# Altium PCB Charge ContollerV2.PcbDoc (part 1 of 2) (continued)
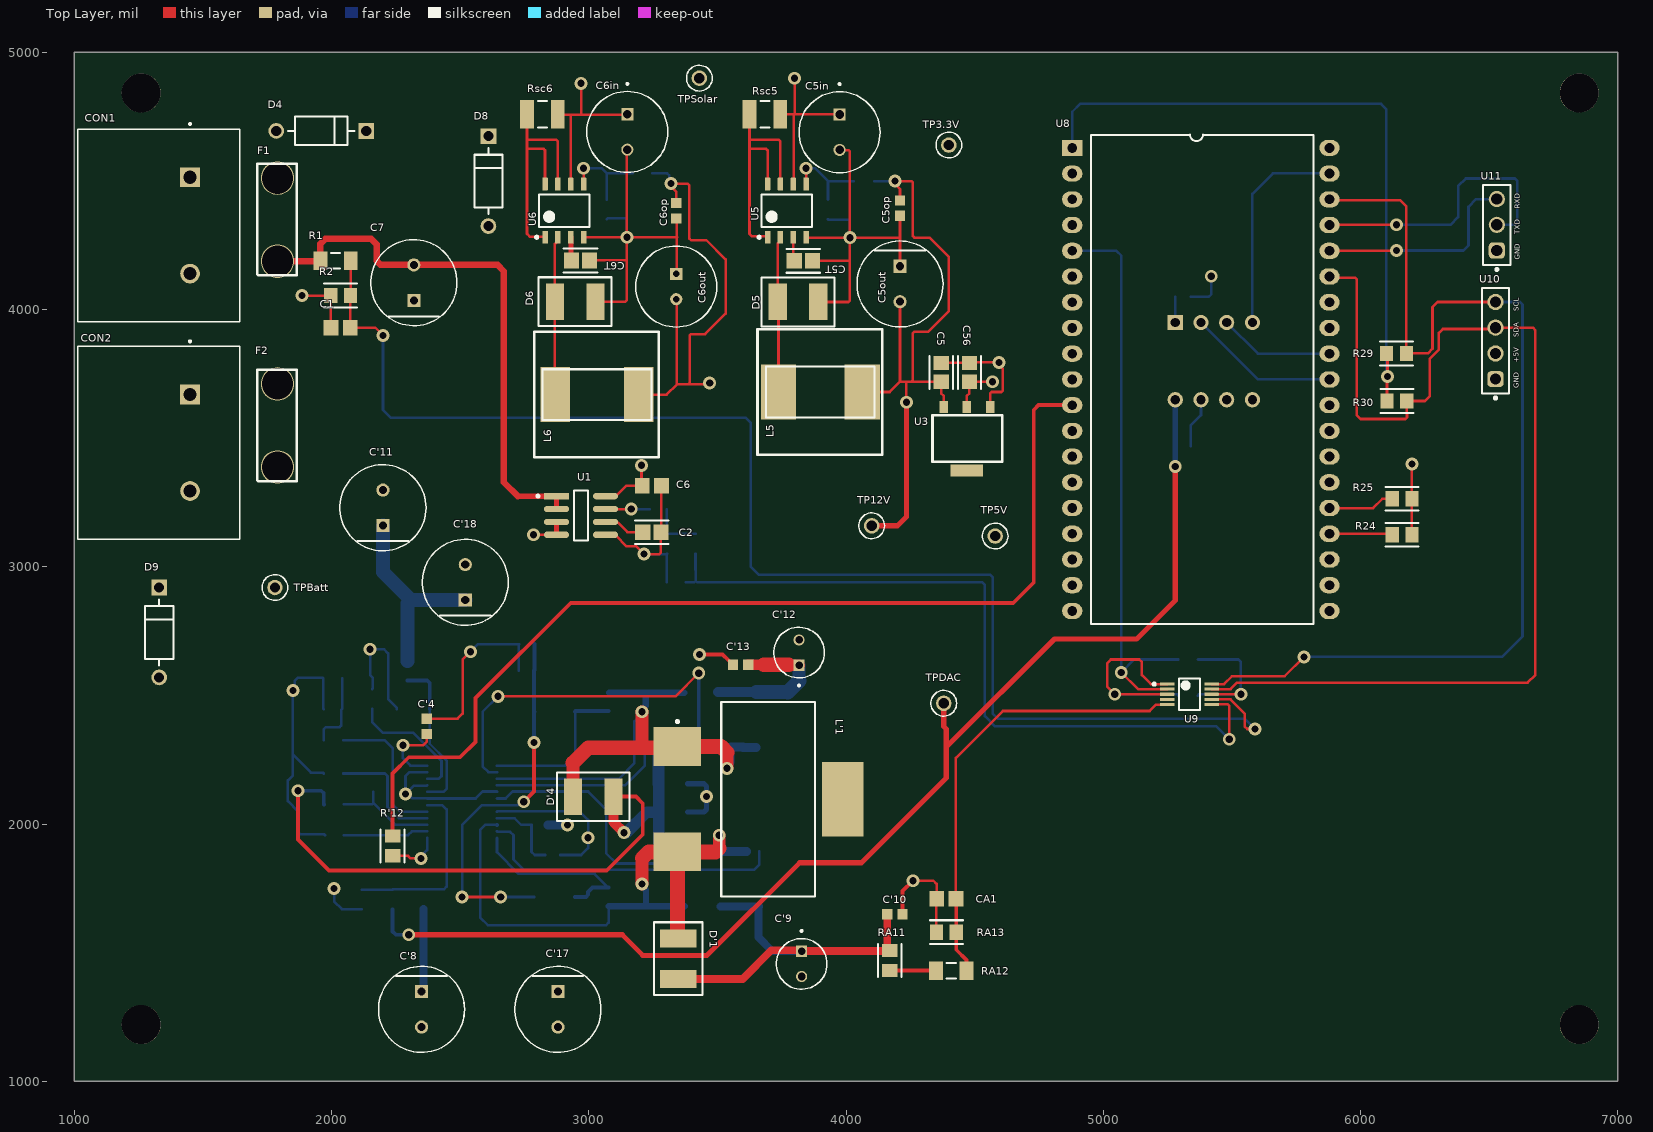
[diagram p0: Top Layer view]
## Part data (continued)
D5 D6 D'1 D'2 D'3 D'4: library part CDBA3100-G, "Rectifier Diode, Schottky, 1 Phase, 1 Element, 3A, 100V V(RRM), Silicon, DO-214AC", Average Rectified Current=3A, Forward Voltage=850mV, Manufacturer=Comchip, Max Forward Surge Current (Ifsm)=80A, Max Operating Temperature=150°C, Max Reverse Leakage Current=500µA, Max Reverse Voltage (DC)=100V, Min Operating Temperature=-55°C, Supplier Part Number=641-1099-1-ND, Category="Rectifier Diodes", ComponentLink1Description=https://datasheet.octopart.com:443/CDBA3100-G-Comchip-datasheet-180126795.pdf?src-supplier=IHS, ComponentLink1URL=https://datasheet.octopart.com:443/CDBA3100-G-Comchip-datasheet-180126795.pdf?src-supplier=IHS, ComponentLink2Description=https://datasheet.octopart.com:443/CDBA3100-G-Comchip-datasheet-14434128.pdf?src-supplier=RS+(Formerly+Allied+Electronics), ComponentLink2URL=https://datasheet.octopart.com:443/CDBA3100-G-Comchip-datasheet-14434128.pdf?src-supplier=RS+(Formerly+Allied+Electronics), Contact Plating=Tin, Lifecycle Status=Obsolete, Manufacturer Part Number=CDBA3100-G, Max Output current=3A, Max Surge Current=80A, Mounting Technology="Surface Mount", Number of Elements=1, Number of Terminals=2, Peak Reverse Current=500µA, Pricing="1=0.32, 10=0.284, 100=0.2475, 500=0.24302, 2000=0.22072 (USD)", REACH SVHC=No, Reverse Standoff Voltage=100V, RoHS=Compliant, Schedule B="8541100070, 8541100070|8541100070, 8541100070|8541100070|8541100070, 8541100070|8541100070|8541100070|8541100070", Stock=37850, Supplier=DigiKey
D'5: library part MMSZ5231BT1G, "Diode, Zener, Standard, Vr 5.1V, If 10MA, Pkg SOD-123, Vf 0.9V, Tj +150DEGC, Pd 500MW", Breakdown Voltage=5.36V, Case/Package=SOD-123-2, Forward Voltage=900mV, Manufacturer=onsemi, Manufacturer Lifecycle Status=ACTIVE, Max Operating Temperature=150°C, Max Power Dissipation=500mW, Max Reverse Leakage Current=5µA, Min Operating Temperature=-55°C, Reference Voltage=5.1V, Supplier Part Number=MMSZ5231BT1GOSDKR-ND, Test Current=20mA, Tolerance=5%, Category="Zener Diodes", China RoHS=Compliant, ComponentLink1Description=https://datasheet.octopart.com:443/MMSZ5231BT1G-ON-Semiconductor-datasheet-12517161.pdf?src-supplier=Upverter, ComponentLink1URL=https://datasheet.octopart.com:443/MMSZ5231BT1G-ON-Semiconductor-datasheet-12517161.pdf?src-supplier=Upverter, ComponentLink2Description=https://datasheet.octopart.com:443/MMSZ5231BT1G-ON-Semiconductor-datasheet-153455.pdf?src-supplier=Upverter, ComponentLink2URL=https://datasheet.octopart.com:443/MMSZ5231BT1G-ON-Semiconductor-datasheet-153455.pdf?src-supplier=Upverter, ComponentLink3Description=https://datasheet.octopart.com:443/MMSZ5231BT1G-ON-Semiconductor-datasheet-8638611.pdf?src-supplier=Upverter, ComponentLink3URL=https://datasheet.octopart.com:443/MMSZ5231BT1G-ON-Semiconductor-datasheet-8638611.pdf?src-supplier=Upverter, ComponentLink4Description=https://datasheet.octopart.com:443/MMSZ5231BT1G-onsemi-datasheet-180963765.pdf?src-supplier=IHS, ComponentLink4URL=https://datasheet.octopart.com:443/MMSZ5231BT1G-onsemi-datasheet-180963765.pdf?src-supplier=IHS, ComponentLink5Description=https://datasheet.octopart.com:443/MMSZ5231BT1G-ON-Semiconductor-datasheet-42916381.pdf?src-supplier=Newark, ComponentLink5URL=https://datasheet.octopart.com:443/MMSZ5231BT1G-ON-Semiconductor-datasheet-42916381.pdf?src-supplier=Newark, ComponentLink6Description=https://datasheet.octopart.com:443/MMSZ5231BT1G-onsemi-datasheet-188912702.pdf?src-supplier=TME, ComponentLink6URL=https://datasheet.octopart.com:443/MMSZ5231BT1G-onsemi-datasheet-188912702.pdf?src-supplier=TME, ComponentLink7Description=https://datasheet.octopart.com:443/MMSZ5231BT1G-onsemi-datasheet-157205108.pdf?src-supplier=TME, ComponentLink7URL=https://datasheet.octopart.com:443/MMSZ5231BT1G-onsemi-datasheet-157205108.pdf?src-supplier=TME, ComponentLink8Description=https://datasheet.octopart.com:443/MMSZ5231BT1G-ON-Semiconductor-datasheet-137674939.pdf?src-supplier=TME, ComponentLink8URL=https://datasheet.octopart.com:443/MMSZ5231BT1G-ON-Semiconductor-datasheet-137674939.pdf?src-supplier=TME, ComponentLink9Description=https://datasheet.octopart.com:443/MMSZ5231BT1G-ON-Semiconductor-datasheet-11631549.pdf?src-supplier=TME, ComponentLink9URL=https://datasheet.octopart.com:443/MMSZ5231BT1G-ON-Semiconductor-datasheet-11631549.pdf?src-supplier=TME, ComponentLink10Description=https://datasheet.octopart.com:443/MMSZ5231BT1G-ON-Semiconductor-datasheet-14050968.pdf?src-supplier=iiiC, ComponentLink10URL=https://datasheet.octopart.com:443/MMSZ5231BT1G-ON-Semiconductor-datasheet-14050968.pdf?src-supplier=iiiC, ComponentLink11Description=https://datasheet.octopart.com:443/MMSZ5231BT1G-ON-Semiconductor-datasheet-11023586.pdf?src-supplier=Arrow+Electronics, ComponentLink11URL=https://datasheet.octopart.com:443/MMSZ5231BT1G-ON-Semiconductor-datasheet-11023586.pdf?src-supplier=Arrow+Electronics, ComponentLink12Description=https://datasheet.octopart.com:443/MMSZ5231BT1G-onsemi-datasheet-8531759.pdf?src-supplier=Master+Electronics, ComponentLink12URL=https://datasheet.octopart.com:443/MMSZ5231BT1G-onsemi-datasheet-8531759.pdf?src-supplier=Master+Electronics, ComponentLink13Description=https://datasheet.octopart.com:443/MMSZ5231BT1G-ON-Semiconductor-datasheet-9569771.pdf?src-supplier=RS+(Formerly+Allied+Electronics), ComponentLink13URL=https://datasheet.octopart.com:443/MMSZ5231BT1G-ON-Semiconductor-datasheet-9569771.pdf?src-supplier=RS+(Formerly+Allied+Electronics), ComponentLink14Description=https://datasheet.octopart.com:443/MMSZ5231BT1G-ON-Semiconductor-datasheet-7627526.pdf?src-supplier=Farnell, ComponentLink14URL=https://datasheet.octopart.com:443/MMSZ5231BT1G-ON-Semiconductor-datasheet-7627526.pdf?src-supplier=Farnell, ComponentLink15Description=http://sigma.octopart.com:80/150619057/rohs_statement/ON-Semiconductor-MMSZ5231BT1G.pdf?src-supplier=Compliance+Statements, ComponentLink15URL=http://sigma.octopart.com:80/150619057/rohs_statement/ON-Semiconductor-MMSZ5231BT1G.pdf?src-supplier=Compliance+Statements, ComponentLink16Description=http://sigma.octopart.com:80/reach_statement/ON-Semiconductor-company-79.pdf?src-supplier=Compliance+Statements, ComponentLink16URL=http://sigma.octopart.com:80/reach_statement/ON-Semiconductor-company-79.pdf?src-supplier=Compliance+Statements, ComponentLink17Description=https://octopart.com:443/opatz8j6/c1?t=6KruX2xVgqKTQHF1zEmr7La0r81j7SPqGDh76W6GsR4eL4rUqHQll8WV4xX5Nu7hKsrq8PAxovGY3REwLdsadjl1bmMI9nnUJhGPyFXEhJxD1pCZtzk_dOG5ikFhzMBdTygor5oNzTc3yMqgbGe0eGu0D6HSfRYRN-pxTcnbPO7NfjzkzEKduPNB4_4g8pI3bD3pTXBKwmePOj0_g1sOgdlkuXNjFsYbZwoOqUjk2ji-GU_pC92JqRRQ2hCmT0oMn_1Yzgo0DI96n__Pobeu3CZhTmdzV_7HO8kmQ0uVo67lL-Y4_zFtToxOs3jA9SuFubSY-NWtqQyQzsC7nZp_yHv4hMy2qHk4BreNnw&src-supplier=Compliance+Statements, ComponentLink17URL=https://octopart.com:443/opatz8j6/c1?t=6KruX2xVgqKTQHF1zEmr7La0r81j7SPqGDh76W6GsR4eL4rUqHQll8WV4xX5Nu7hKsrq8PAxovGY3REwLdsadjl1bmMI9nnUJhGPyFXEhJxD1pCZtzk_dOG5ikFhzMBdTygor5oNzTc3yMqgbGe0eGu0D6HSfRYRN-pxTcnbPO7NfjzkzEKduPNB4_4g8pI3bD3pTXBKwmePOj0_g1sOgdlkuXNjFsYbZwoOqUjk2ji-GU_pC92JqRRQ2hCmT0oMn_1Yzgo0DI96n__Pobeu3CZhTmdzV_7HO8kmQ0uVo67lL-Y4_zFtToxOs3jA9SuFubSY-NWtqQyQzsC7nZp_yHv4hMy2qHk4BreNnw&src-supplier=Compliance+Statements, ComponentLink18Description=https://octopart.com:443/opatz8j6/c1?t=fg5wKDs8tDYVpes2XK0oORYyiWLhMx6Oz8EfK7-ZJNKqyjkoQ9ch0gNda__pOlhG31XntL1xtt_y2IhV85_j8hxA9FBrNnEecmnSHUwuaYJVTwhKOFezISfTkG2YVLsNN2oqYUaWUAQGE8sEe599xnbe1taZ3Ax9sjwWK5fiLbdba-GQxmr3z0EyWhEwI2jeYxxRTAgm6tMGVDIqNDY-0w2I1rzEeqIzCAmAsnWHMVi95F9x2rpbylBY_vYYklpx_KNs09WKUDKuRdo7ZUbkew6-riSvkBCDjzs5Zh9iK3HaGt4l98TU6E2yKl9wJd710uXxaHrLfXXAgj1PzSLrloAx3KEjEA1IMiUkgbw&src-supplier=Compliance+Statements, ComponentLink18URL=https://octopart.com:443/opatz8j6/c1?t=fg5wKDs8tDYVpes2XK0oORYyiWLhMx6Oz8EfK7-ZJNKqyjkoQ9ch0gNda__pOlhG31XntL1xtt_y2IhV85_j8hxA9FBrNnEecmnSHUwuaYJVTwhKOFezISfTkG2YVLsNN2oqYUaWUAQGE8sEe599xnbe1taZ3Ax9sjwWK5fiLbdba-GQxmr3z0EyWhEwI2jeYxxRTAgm6tMGVDIqNDY-0w2I1rzEeqIzCAmAsnWHMVi95F9x2rpbylBY_vYYklpx_KNs09WKUDKuRdo7ZUbkew6-riSvkBCDjzs5Zh9iK3HaGt4l98TU6E2yKl9wJd710uXxaHrLfXXAgj1PzSLrloAx3KEjEA1IMiUkgbw&src-supplier=Compliance+Statements, Element Configuration=Single, Height=1.3462mm, Impedance=17Ω, Lead Free="Lead Free", Length=2.8194mm, Lifecycle Status=Production, Manufacturer Part Number=MMSZ5231BT1G, Material=Plastic, Number of Elements=1, Number of Terminals=2, Packaging="Tape and Reel", Peak Reverse Current=5µA, Pins=2, Polarity=Unidirectional, Power Dissipation=500mW, Power Rating=500mW, Pricing="1=0.18, 10=0.102, 100=0.045, 500=0.043, 1000=0.04 (USD)", Radiation Hardening=No, REACH SVHC=Yes, RoHS=Compliant, Schedule B="8541100050, 8541100050|8541100050|8541100050|8541100050|8541100050|8541100050|8541100050|8541100050|8541100050|8541100050|8541100050|8541100050|8541100050|8541100050|8541100050|8541100050|8541100050|8541100050|8541100050|8541100050|8541100050|8541100050|8541100050|85", Stock=131299, Supplier=DigiKey, Voltage Rating (DC)=5.1V, Voltage Tolerance=5%, Width=1.8034mm, Working Voltage=5.1V, Zener Current=20mA, Zener Voltage=5.1V
F1: library part 0297010.WXNV, "Automotive flat fuse, 10 A, 32 V, red, (L x W x H) 10.9 x 3.8 x 8.8 mm, 0297010.WXNV", Ambient Temperature Range High=125°C, Color=Red, Current Rating=10A, Manufacturer=Littelfuse, Min Operating Temperature=-40°C, Supplier Part Number=F991-ND, Voltage Rating=32V, Body Material="Plastic, Polyamide, Thermoplastic", Category=Fuses, ComponentLink1Description=https://datasheet.octopart.com:443/0297010.WXNV-Littelfuse-datasheet-169126209.pdf?src-supplier=IHS, ComponentLink1URL=https://datasheet.octopart.com:443/0297010.WXNV-Littelfuse-datasheet-169126209.pdf?src-supplier=IHS, ComponentLink2Description=https://datasheet.octopart.com:443/0297010.WXNV-Littelfuse-datasheet-66660011.pdf?src-supplier=Burklin+Elektronik, ComponentLink2URL=https://datasheet.octopart.com:443/0297010.WXNV-Littelfuse-datasheet-66660011.pdf?src-supplier=Burklin+Elektronik, ComponentLink3Description=https://datasheet.octopart.com:443/0297010.WXNV-Littelfuse-datasheet-8702453.pdf?src-supplier=Newark, ComponentLink3URL=https://datasheet.octopart.com:443/0297010.WXNV-Littelfuse-datasheet-8702453.pdf?src-supplier=Newark, ComponentLink4Description=https://datasheet.octopart.com:443/0297010.WXNV-Littelfuse-datasheet-32479567.pdf?src-supplier=Newark, ComponentLink4URL=https://datasheet.octopart.com:443/0297010.WXNV-Littelfuse-datasheet-32479567.pdf?src-supplier=Newark, ComponentLink5Description=https://datasheet.octopart.com:443/0297010.WXNV-Littelfuse-datasheet-28809134.pdf?src-supplier=Future+Electronics, ComponentLink5URL=https://datasheet.octopart.com:443/0297010.WXNV-Littelfuse-datasheet-28809134.pdf?src-supplier=Future+Electronics, ComponentLink6Description=https://datasheet.octopart.com:443/0297010.WXNV-Littelfuse-datasheet-135736.pdf?src-supplier=element14, ComponentLink6URL=https://datasheet.octopart.com:443/0297010.WXNV-Littelfuse-datasheet-135736.pdf?src-supplier=element14, ComponentLink7Description=https://datasheet.octopart.com:443/0297010.WXNV-Littelfuse-datasheet-179407513.pdf?src-supplier=JRH+Electronics, ComponentLink7URL=https://datasheet.octopart.com:443/0297010.WXNV-Littelfuse-datasheet-179407513.pdf?src-supplier=JRH+Electronics, ComponentLink8Description=https://datasheet.octopart.com:443/0297010.WXNV-Littelfuse-datasheet-43098904.pdf?src-supplier=RS+(Formerly+Allied+Electronics), ComponentLink8URL=https://datasheet.octopart.com:443/0297010.WXNV-Littelfuse-datasheet-43098904.pdf?src-supplier=RS+(Formerly+Allied+Electronics), ComponentLink9Description=https://datasheet.octopart.com:443/0297010.WXNV-Littelfuse-datasheet-49878456.pdf?src-supplier=TME, ComponentLink9URL=https://datasheet.octopart.com:443/0297010.WXNV-Littelfuse-datasheet-49878456.pdf?src-supplier=TME, ComponentLink10Description=https://datasheet.octopart.com:443/0297010.WXNV-Littelfuse-datasheet-7281592.pdf?src-supplier=Jameco, ComponentLink10URL=https://datasheet.octopart.com:443/0297010.WXNV-Littelfuse-datasheet-7281592.pdf?src-supplier=Jameco, ComponentLink11Description=https://datasheet.octopart.com:443/0297010.WXNV-Littelfuse-datasheet-817.pdf?src-supplier=DigiKey, ComponentLink11URL=https://datasheet.octopart.com:443/0297010.WXNV-Littelfuse-datasheet-817.pdf?src-supplier=DigiKey, ComponentLink12Description=https://datasheet.octopart.com:443/0297010.WXNV-Littelfuse-datasheet-530200.pdf?src-supplier=Farnell, ComponentLink12URL=https://datasheet.octopart.com:443/0297010.WXNV-Littelfuse-datasheet-530200.pdf?src-supplier=Farnell, Contact Plating=Silver, Depth=3.8mm, Fuse Current=10A, Height=8.8mm, Lead Free="Lead Free", Length=10.9mm, Lifecycle Status=Production, Manufacturer Part Number=0297010.WXNV, Max Operating Temperature=125°C, Mounting Technology="Holder, Socket", Packaging=Bulk, Pins=2, Pricing="1=0.35, 5=0.294, 10=0.271, 50=0.2246, 100=0.2072, 250=0.18628, 500=0.17184, 3000=0.13929, 6000=0.12832 (USD)", Radiation Hardening=No, REACH SVHC=Yes, RoHS=Compliant, Stock=60959, Supplier=DigiKey, Time to Trip=30ms, Voltage Rating (AC)=32V, Voltage Rating (DC)=32V, Width=8.8mm, Working Voltage=32V
F2: library part 0297015.WXNV, "Automotive flat fuse, 15 A, 32 V, blue, (L x W x H) 10.9 x 3.8 x 8.8 mm, 0297015.WXNV", Ambient Temperature Range High=125°C, Color=Blue, Current Rating=15A, Manufacturer=Littelfuse, Min Operating Temperature=-40°C, Supplier Part Number=F992-ND, Voltage Rating=32V, Body Material="Plastic, Polyamide, Thermoplastic", Category=Fuses, ComponentLink1Description=https://datasheet.octopart.com:443/0297015.WXNV-Littelfuse-datasheet-169126209.pdf?src-supplier=IHS, ComponentLink1URL=https://datasheet.octopart.com:443/0297015.WXNV-Littelfuse-datasheet-169126209.pdf?src-supplier=IHS, ComponentLink2Description=https://datasheet.octopart.com:443/0297015.WXNV-Littelfuse-datasheet-66660011.pdf?src-supplier=Burklin+Elektronik, ComponentLink2URL=https://datasheet.octopart.com:443/0297015.WXNV-Littelfuse-datasheet-66660011.pdf?src-supplier=Burklin+Elektronik, ComponentLink3Description=https://datasheet.octopart.com:443/0297015.WXNV-Littelfuse-datasheet-8702453.pdf?src-supplier=Farnell, ComponentLink3URL=https://datasheet.octopart.com:443/0297015.WXNV-Littelfuse-datasheet-8702453.pdf?src-supplier=Farnell, ComponentLink4Description=https://datasheet.octopart.com:443/0297015.WXNV-Littelfuse-datasheet-135736.pdf?src-supplier=element14, ComponentLink4URL=https://datasheet.octopart.com:443/0297015.WXNV-Littelfuse-datasheet-135736.pdf?src-supplier=element14, ComponentLink5Description=https://datasheet.octopart.com:443/0297015.WXNV-Littelfuse-datasheet-530200.pdf?src-supplier=Newark, ComponentLink5URL=https://datasheet.octopart.com:443/0297015.WXNV-Littelfuse-datasheet-530200.pdf?src-supplier=Newark, ComponentLink6Description=https://datasheet.octopart.com:443/0297015.WXNV-Littelfuse-datasheet-28809134.pdf?src-supplier=Future+Electronics, ComponentLink6URL=https://datasheet.octopart.com:443/0297015.WXNV-Littelfuse-datasheet-28809134.pdf?src-supplier=Future+Electronics, ComponentLink7Description=https://datasheet.octopart.com:443/0297015.WXNV-Littelfuse-datasheet-179407513.pdf?src-supplier=JRH+Electronics, ComponentLink7URL=https://datasheet.octopart.com:443/0297015.WXNV-Littelfuse-datasheet-179407513.pdf?src-supplier=JRH+Electronics, ComponentLink8Description=https://datasheet.octopart.com:443/0297015.WXNV-Littelfuse-datasheet-43098904.pdf?src-supplier=RS+(Formerly+Allied+Electronics), ComponentLink8URL=https://datasheet.octopart.com:443/0297015.WXNV-Littelfuse-datasheet-43098904.pdf?src-supplier=RS+(Formerly+Allied+Electronics), ComponentLink9Description=https://datasheet.octopart.com:443/0297015.WXNV-Littelfuse-datasheet-33028620.pdf?src-supplier=RS+(Formerly+Allied+Electronics), ComponentLink9URL=https://datasheet.octopart.com:443/0297015.WXNV-Littelfuse-datasheet-33028620.pdf?src-supplier=RS+(Formerly+Allied+Electronics), ComponentLink10Description=https://datasheet.octopart.com:443/0297015.WXNV-Littelfuse-datasheet-49878456.pdf?src-supplier=TME, ComponentLink10URL=https://datasheet.octopart.com:443/0297015.WXNV-Littelfuse-datasheet-49878456.pdf?src-supplier=TME, ComponentLink11Description=https://datasheet.octopart.com:443/0297015.WXNV-Littelfuse-datasheet-10520229.pdf?src-supplier=Jameco, ComponentLink11URL=https://datasheet.octopart.com:443/0297015.WXNV-Littelfuse-datasheet-10520229.pdf?src-supplier=Jameco, ComponentLink12Description=https://datasheet.octopart.com:443/0297015.WXNV-Littelfuse-datasheet-817.pdf?src-supplier=DigiKey, ComponentLink12URL=https://datasheet.octopart.com:443/0297015.WXNV-Littelfuse-datasheet-817.pdf?src-supplier=DigiKey, Contact Plating=Silver, Depth=3.8mm, Fuse Current=15A, Height=8.8mm, Lead Free="Lead Free", Length=10.9mm, Lifecycle Status=Production, Manufacturer Part Number=0297015.WXNV, Max Operating Temperature=125°C, Mounting Technology="Holder, Socket", Packaging=Bulk, Pins=2, Pricing="1=0.35, 5=0.294, 10=0.271, 50=0.2246, 100=0.2072, 250=0.18628, 500=0.17184, 3000=0.13929, 6000=0.12832 (USD)", Radiation Hardening=No, REACH SVHC=Yes, RoHS=Compliant, Stock=56481, Supplier=DigiKey, Time to Trip=30ms, Voltage Rating (AC)=32V, Voltage Rating (DC)=32V, Working Voltage=32V
L5: library part SRR1280-821K, "Inductor Power Shielded Wirewound 820uH 10% 1KHz 20Q-Factor Ferrite 0.7A 1.5Ohm DCR T/R", Case/Package=Nonstandard, Current Rating=700mA, DC Resistance (DCR)=1.5Ω, Frequency=1.4MHz, Inductance Tolerance=10%, Manufacturer=Bourns, Max Operating Temperature=125°C, Min Operating Temperature=-40°C, Saturation Current=940mA, Supplier Part Number=SRR1280-821KLCT-ND, Test Frequency=1kHz, Category="Fixed Inductors", China RoHS=Compliant, ComponentLink1Description=https://datasheet.octopart.com:443/SRR1280-821K-Bourns-datasheet-134530274.pdf?src-supplier=IHS, ComponentLink1URL=https://datasheet.octopart.com:443/SRR1280-821K-Bourns-datasheet-134530274.pdf?src-supplier=IHS, ComponentLink2Description=https://datasheet.octopart.com:443/SRR1280-821K-Bourns-datasheet-11553781.pdf?src-supplier=Electro+Sonic, ComponentLink2URL=https://datasheet.octopart.com:443/SRR1280-821K-Bourns-datasheet-11553781.pdf?src-supplier=Electro+Sonic, ComponentLink3Description=https://datasheet.octopart.com:443/SRR1280-821K-Bourns-datasheet-44395072.pdf?src-supplier=Electro+Sonic, ComponentLink3URL=https://datasheet.octopart.com:443/SRR1280-821K-Bourns-datasheet-44395072.pdf?src-supplier=Electro+Sonic, ComponentLink4Description=https://datasheet.octopart.com:443/SRR1280-821K-Bourns-datasheet-79799512.pdf?src-supplier=Farnell, ComponentLink4URL=https://datasheet.octopart.com:443/SRR1280-821K-Bourns-datasheet-79799512.pdf?src-supplier=Farnell, ComponentLink5Description=https://datasheet.octopart.com:443/SRR1280-821K-Bourns-datasheet-5315980.pdf?src-supplier=element14+APAC, ComponentLink5URL=https://datasheet.octopart.com:443/SRR1280-821K-Bourns-datasheet-5315980.pdf?src-supplier=element14+APAC, ComponentLink6Description=http://sigma.octopart.com:80/conflict_mineral_statement/Bourns-company-36.pdf?src-supplier=Compliance+Statements, ComponentLink6URL=http://sigma.octopart.com:80/conflict_mineral_statement/Bourns-company-36.pdf?src-supplier=Compliance+Statements, Composition=Wirewound, Core Material=Ferrite, DC Current=700mA, Depth=12.8mm, Height=7.5mm, Height - Seated (Max)=8.001mm, Length=12.5mm, Lifecycle Status=Production, Manufacturer Part Number=SRR1280-821K, Material=Steel, Max Current Rating=700mA, Max DC Current=700mA, Military Standard=Not, Mounting Technology="Surface Mount", Number of Circuits=1, Number of Terminals=2, Packaging="Cut Tape", Pins=2, Pricing="1=1.12, 10=0.918, 100=0.7549 (USD)", Q Factor=20, Radiation Hardening=No, REACH SVHC=Yes, RMS Current (Irms)=700mA, RoHS=Compliant, Schedule B="8504500000, 8504500000|8504500000|8504500000|8504500000|8504500000", Self Resonant Frequency=1.4MHz, Shielding=Yes, Stock=1378, Supplier=DigiKey, Termination=SMD/SMT, Tolerance=10%, Width=12.5mm
L6: library part "SRR1260-681K (2)", "Inductor Power Shielded Wirewound 680uH 10% 1KHz 18Q-Factor Ferrite 0.8A 1.15Ohm DCR T/R", Case/Package=1260, Current Rating=800mA, DC Resistance (DCR)=1.15Ω, Inductance Tolerance=10%, Manufacturer=Bourns, Manufacturer Part Number=SRR1260-681K, Max Operating Temperature=125°C, Min Operating Temperature=-40°C, Saturation Current=750mA, Self Resonant Frequency=2.2MHz, Supplier Part Number=SRR1260-681KCT-ND, Test Frequency=1kHz, Category="Fixed Inductors", China RoHS=Compliant, ComponentLink1Description=https://datasheet.octopart.com:443/SRR1260-681K-Bourns-datasheet-165058512.pdf?src-supplier=IHS, ComponentLink1URL=https://datasheet.octopart.com:443/SRR1260-681K-Bourns-datasheet-165058512.pdf?src-supplier=IHS, ComponentLink2Description=https://datasheet.octopart.com:443/SRR1260-681K-Bourns-datasheet-10635436.pdf?src-supplier=Farnell, ComponentLink2URL=https://datasheet.octopart.com:443/SRR1260-681K-Bourns-datasheet-10635436.pdf?src-supplier=Farnell, ComponentLink3Description=https://datasheet.octopart.com:443/SRR1260-681K-Bourns-datasheet-41191777.pdf?src-supplier=Farnell, ComponentLink3URL=https://datasheet.octopart.com:443/SRR1260-681K-Bourns-datasheet-41191777.pdf?src-supplier=Farnell, ComponentLink4Description=https://datasheet.octopart.com:443/SRR1260-681K-Bourns-datasheet-154729982.pdf?src-supplier=JRH+Electronics, ComponentLink4URL=https://datasheet.octopart.com:443/SRR1260-681K-Bourns-datasheet-154729982.pdf?src-supplier=JRH+Electronics, ComponentLink5Description=https://datasheet.octopart.com:443/SRR1260-681K-Bourns-datasheet-78856879.pdf?src-supplier=element14+APAC, ComponentLink5URL=https://datasheet.octopart.com:443/SRR1260-681K-Bourns-datasheet-78856879.pdf?src-supplier=element14+APAC, ComponentLink6Description=https://datasheet.octopart.com:443/SRR1260-681K-Bourns-datasheet-15703909.pdf?src-supplier=RS+(Formerly+Allied+Electronics), ComponentLink6URL=https://datasheet.octopart.com:443/SRR1260-681K-Bourns-datasheet-15703909.pdf?src-supplier=RS+(Formerly+Allied+Electronics), ComponentLink7Description=https://datasheet.octopart.com:443/SRR1260-681K-Bourns-datasheet-531572.pdf?src-supplier=element14, ComponentLink7URL=https://datasheet.octopart.com:443/SRR1260-681K-Bourns-datasheet-531572.pdf?src-supplier=element14, ComponentLink8Description=http://sigma.octopart.com:80/conflict_mineral_statement/Bourns-company-36.pdf?src-supplier=Compliance+Statements, ComponentLink8URL=http://sigma.octopart.com:80/conflict_mineral_statement/Bourns-company-36.pdf?src-supplier=Compliance+Statements, Composition=Wirewound, Core Material=Ferrite, DC Current=800mA, Depth=12.8mm, Height=6mm, Height - Seated (Max)=6.5024mm, Length=12.5mm, Lifecycle Status=Production, Max Current Rating=800mA, Max DC Current=800mA, Military Standard=Not, Mounting Technology="Surface Mount", Number of Circuits=1, Number of Terminals=2, Packaging="Cut Tape", Pins=2, Pricing="1=1.01, 10=0.83, 100=0.6824 (USD)", Q Factor=18, REACH SVHC=Yes, RMS Current (Irms)=800mA, RoHS=Compliant, Schedule B=8504500000|8504500000|8504500000|8504500000|8504500000, Shielding=Yes, Stock=3627, Supplier=DigiKey, Termination=SMD/SMT, Tolerance=10%, Width=12.5mm
L'1: library part SER2013-472MLD, "General Purpose Inductor, 4.7uH, 20%, 1 Element, Ferrite-Core, SMD, 7636", DC Resistance (DCR)=1.82mΩ, Inductance Tolerance=20%, Manufacturer=Coilcraft, Max Current Rating=30A, Max Operating Temperature=85°C, Min Operating Temperature=-40°C, Saturation Current=18A, Self Resonant Frequency=30MHz, Supplier Part Number=994-SER2013-472MLD, Test Frequency=100kHz, Category="Fixed Inductors", ComponentLink1Description=https://datasheet.octopart.com:443/SER2013-472MLD-Coilcraft-datasheet-180121119.pdf?src-supplier=IHS, ComponentLink1URL=https://datasheet.octopart.com:443/SER2013-472MLD-Coilcraft-datasheet-180121119.pdf?src-supplier=IHS, ComponentLink2Description=https://datasheet.octopart.com:443/SER2013-472MLD-Coilcraft-datasheet-10791275.pdf?src-supplier=Upverter, ComponentLink2URL=https://datasheet.octopart.com:443/SER2013-472MLD-Coilcraft-datasheet-10791275.pdf?src-supplier=Upverter, ComponentLink3Description=https://datasheet.octopart.com:443/SER2013-472MLD-Coilcraft-datasheet-181955326.pdf?src-supplier=Newark, ComponentLink3URL=https://datasheet.octopart.com:443/SER2013-472MLD-Coilcraft-datasheet-181955326.pdf?src-supplier=Newark, ComponentLink4Description=https://datasheet.octopart.com:443/SER2013-472MLD-Coilcraft-datasheet-14354357.pdf?src-supplier=Newark, ComponentLink4URL=https://datasheet.octopart.com:443/SER2013-472MLD-Coilcraft-datasheet-14354357.pdf?src-supplier=Newark, Core Material=Ferrite, Height=12.95mm, Lead Free="Contains Lead", Length=19.69mm, Lifecycle Status=Production, Manufacturer Part Number=SER2013-472MLD, Max DC Current=30A, Number of Circuits=1, Number of Terminals=2, Packaging="Cut Tape", Pins=3, Pricing="1=5.11, 10=4.28, 50=3.83, 100=3.32, 1000=2.75, 10000=2.58 (USD)", REACH SVHC=Yes, RMS Current (Irms)=30A, RoHS=Compliant, Shielding=Yes, Stock=652, Supplier=Mouser, Termination=SMD/SMT, Tolerance=20%, Width=9.27mm
Q1 Q2 Q3 Q4: "N-Channel PowerTrench® MOSFET, 60V, 10A, 14mΩ", Case/Package=SOIC, Continuous Drain Current (ID)=10A, Drain to Source Breakdown Voltage=60V, Drain to Source Resistance=14mΩ, Gate to Source Voltage (Vgs)=20V, Input Capacitance=2.9nF, Manufacturer=onsemi, Manufacturer Lifecycle Status=ACTIVE, Max Junction Temperature (Tj)=150°C, Max Power Dissipation=2.5W, Min Operating Temperature=-55°C, Supplier Part Number=FDS5670CT-ND, Threshold Voltage=2.4V, Category=MOSFETs, China RoHS=Compliant, ComponentLink1Description=https://datasheet.octopart.com:443/FDS5670-onsemi-datasheet-164512564.pdf?src-supplier=Farnell, ComponentLink1URL=https://datasheet.octopart.com:443/FDS5670-onsemi-datasheet-164512564.pdf?src-supplier=Farnell, ComponentLink2Description=https://datasheet.octopart.com:443/FDS5670-ON-Semiconductor-datasheet-100191.pdf?src-supplier=Farnell, ComponentLink2URL=https://datasheet.octopart.com:443/FDS5670-ON-Semiconductor-datasheet-100191.pdf?src-supplier=Farnell, ComponentLink3Description=https://datasheet.octopart.com:443/FDS5670-ON-Semiconductor-datasheet-86689261.pdf?src-supplier=Farnell, ComponentLink3URL=https://datasheet.octopart.com:443/FDS5670-ON-Semiconductor-datasheet-86689261.pdf?src-supplier=Farnell, ComponentLink4Description=https://datasheet.octopart.com:443/FDS5670.-Fairchild-Semiconductor-datasheet-68607879.pdf?src-supplier=Farnell, ComponentLink4URL=https://datasheet.octopart.com:443/FDS5670.-Fairchild-Semiconductor-datasheet-68607879.pdf?src-supplier=Farnell, ComponentLink5Description=https://datasheet.octopart.com:443/FDS5670.-ON-Semiconductor-datasheet-86695078.pdf?src-supplier=Farnell, ComponentLink5URL=https://datasheet.octopart.com:443/FDS5670.-ON-Semiconductor-datasheet-86695078.pdf?src-supplier=Farnell, ComponentLink6Description=https://datasheet.octopart.com:443/FDS5670-Fairchild-datasheet-7537324.pdf?src-supplier=Farnell, ComponentLink6URL=https://datasheet.octopart.com:443/FDS5670-Fairchild-datasheet-7537324.pdf?src-supplier=Farnell, ComponentLink7Description=https://datasheet.octopart.com:443/FDS5670-Fairchild-Semiconductor-datasheet-67356191.pdf?src-supplier=Farnell, ComponentLink7URL=https://datasheet.octopart.com:443/FDS5670-Fairchild-Semiconductor-datasheet-67356191.pdf?src-supplier=Farnell, ComponentLink8Description=https://sigma.octopart.com:443/138897548/technical_drawing/onsemi-FDS5670.pdf?src-supplier=Upverter, ComponentLink8URL=https://sigma.octopart.com:443/138897548/technical_drawing/onsemi-FDS5670.pdf?src-supplier=Upverter, ComponentLink9Description=https://datasheet.octopart.com:443/FDS5670-Fairchild-Semiconductor-datasheet-182290245.pdf?src-supplier=IHS, ComponentLink9URL=https://datasheet.octopart.com:443/FDS5670-Fairchild-Semiconductor-datasheet-182290245.pdf?src-supplier=IHS, ComponentLink10Description=https://datasheet.octopart.com:443/FDS5670-ON-Semiconductor-datasheet-98150771.pdf?src-supplier=Future+Electronics, ComponentLink10URL=https://datasheet.octopart.com:443/FDS5670-ON-Semiconductor-datasheet-98150771.pdf?src-supplier=Future+Electronics, ComponentLink11Description=https://datasheet.octopart.com:443/FDS5670-ON-Semiconductor-datasheet-85495085.pdf?src-supplier=onsemi, ComponentLink11URL=https://datasheet.octopart.com:443/FDS5670-ON-Semiconductor-datasheet-85495085.pdf?src-supplier=onsemi, ComponentLink12Description=https://datasheet.octopart.com:443/FDS5670-ON-Semiconductor-datasheet-86693982.pdf?src-supplier=onsemi, ComponentLink12URL=https://datasheet.octopart.com:443/FDS5670-ON-Semiconductor-datasheet-86693982.pdf?src-supplier=onsemi, ComponentLink13Description=https://datasheet.octopart.com:443/FDS5670-Fairchild-Semiconductor-datasheet-67621401.pdf?src-supplier=element14+APAC, ComponentLink13URL=https://datasheet.octopart.com:443/FDS5670-Fairchild-Semiconductor-datasheet-67621401.pdf?src-supplier=element14+APAC, ComponentLink14Description=https://datasheet.octopart.com:443/FDS5670.-Fairchild-Semiconductor-datasheet-78834339.pdf?src-supplier=element14+APAC, ComponentLink14URL=https://datasheet.octopart.com:443/FDS5670.-Fairchild-Semiconductor-datasheet-78834339.pdf?src-supplier=element14+APAC, ComponentLink15Description=https://datasheet.octopart.com:443/FDS5670-Fairchild-Semiconductor-datasheet-68550263.pdf?src-supplier=element14+APAC, ComponentLink15URL=https://datasheet.octopart.com:443/FDS5670-Fairchild-Semiconductor-datasheet-68550263.pdf?src-supplier=element14+APAC, ComponentLink16Description=https://datasheet.octopart.com:443/FDS5670-Fairchild-Semiconductor-datasheet-68552867.pdf?src-supplier=element14+APAC, ComponentLink16URL=https://datasheet.octopart.com:443/FDS5670-Fairchild-Semiconductor-datasheet-68552867.pdf?src-supplier=element14+APAC, ComponentLink17Description=https://datasheet.octopart.com:443/FDS5670-Fairchild-Semiconductor-datasheet-68607869.pdf?src-supplier=element14+APAC, ComponentLink17URL=https://datasheet.octopart.com:443/FDS5670-Fairchild-Semiconductor-datasheet-68607869.pdf?src-supplier=element14+APAC, ComponentLink18Description=https://sigma.octopart.com:443/33068652/technical_drawing/Fairchild-Semiconductor-FDS5670.pdf?src-supplier=Fairchild+Semiconductor, ComponentLink18URL=https://sigma.octopart.com:443/33068652/technical_drawing/Fairchild-Semiconductor-FDS5670.pdf?src-supplier=Fairchild+Semiconductor, ComponentLink19Description=https://sigma.octopart.com:443/17345426/technical_drawing/Fairchild-Semiconductor-FDS5670.pdf?src-supplier=Fairchild+Semiconductor, ComponentLink19URL=https://sigma.octopart.com:443/17345426/technical_drawing/Fairchild-Semiconductor-FDS5670.pdf?src-supplier=Fairchild+Semiconductor, ComponentLink20Description=https://datasheet.octopart.com:443/FDS5670-Fairchild-datasheet-8441517.pdf?src-supplier=Jameco, ComponentLink20URL=https://datasheet.octopart.com:443/FDS5670-Fairchild-datasheet-8441517.pdf?src-supplier=Jameco, ComponentLink21Description=https://datasheet.octopart.com:443/FDS5670-Fairchild-Semiconductor-datasheet-10850892.pdf?src-supplier=iiiC, ComponentLink21URL=https://datasheet.octopart.com:443/FDS5670-Fairchild-Semiconductor-datasheet-10850892.pdf?src-supplier=iiiC, ComponentLink22Description=https://datasheet.octopart.com:443/FDS5670-ON-Semiconductor-datasheet-81454857.pdf?src-supplier=TME, ComponentLink22URL=https://datasheet.octopart.com:443/FDS5670-ON-Semiconductor-datasheet-81454857.pdf?src-supplier=TME, ComponentLink23Description=http://sigma.octopart.com:80/150609481/rohs_statement/ON-Semiconductor-FDS5670.pdf?src-supplier=Compliance+Statements, ComponentLink23URL=http://sigma.octopart.com:80/150609481/rohs_statement/ON-Semiconductor-FDS5670.pdf?src-supplier=Compliance+Statements, ComponentLink24Description=http://sigma.octopart.com:80/17348631/reach_statement/Fairchild-Semiconductor-FDS5670.pdf?src-supplier=Compliance+Statements, ComponentLink24URL=http://sigma.octopart.com:80/17348631/reach_statement/Fairchild-Semiconductor-FDS5670.pdf?src-supplier=Compliance+Statements, ComponentLink25Description=http://sigma.octopart.com:80/17348632/materials_sheet/Fairchild-Semiconductor-FDS5670.pdf?src-supplier=Compliance+Statements, ComponentLink25URL=http://sigma.octopart.com:80/17348632/materials_sheet/Fairchild-Semiconductor-FDS5670.pdf?src-supplier=Compliance+Statements, ComponentLink26Description=http://sigma.octopart.com:80/33158728/reach_statement/Fairchild-Semiconductor-FDS5670.pdf?src-supplier=Compliance+Statements, ComponentLink26URL=http://sigma.octopart.com:80/33158728/reach_statement/Fairchild-Semiconductor-FDS5670.pdf?src-supplier=Compliance+Statements, ComponentLink27Description=http://sigma.octopart.com:80/33158729/materials_sheet/Fairchild-Semiconductor-FDS5670.pdf?src-supplier=Compliance+Statements, ComponentLink27URL=http://sigma.octopart.com:80/33158729/materials_sheet/Fairchild-Semiconductor-FDS5670.pdf?src-supplier=Compliance+Statements, ComponentLink28Description=http://sigma.octopart.com:80/reach_statement/ON-Semiconductor-company-79.pdf?src-supplier=Compliance+Statements, ComponentLink28URL=http://sigma.octopart.com:80/reach_statement/ON-Semiconductor-company-79.pdf?src-supplier=Compliance+Statements, ComponentLink29Description=http://sigma.octopart.com:80/rohs_statement/Fairchild-Semiconductor-company-11.pdf?src-supplier=Compliance+Statements, ComponentLink29URL=http://sigma.octopart.com:80/rohs_statement/Fairchild-Semiconductor-company-11.pdf?src-supplier=Compliance+Statements, ComponentLink30Description=http://sigma.octopart.com:80/rohs_statement/Fairchild-Semiconductor-company-10.pdf?src-supplier=Compliance+Statements, ComponentLink30URL=http://sigma.octopart.com:80/rohs_statement/Fairchild-Semiconductor-company-10.pdf?src-supplier=Compliance+Statements, ComponentLink31Description=http://sigma.octopart.com:80/reach_statement/Fairchild-Semiconductor-company-9.pdf?src-supplier=Compliance+Statements, ComponentLink31URL=http://sigma.octopart.com:80/reach_statement/Fairchild-Semiconductor-company-9.pdf?src-supplier=Compliance+Statements, ComponentLink32Description=https://octopart.com:443/opatz8j6/c1?t=NhSEKh39WM6jr0COe8Lef7sdNoyrnXCrsrrTXhHd-8E1Czyrgl4WpDDzJXU7fBOVKsDXvfcFGi5H9z_VD2uEk_HNcLEjcvQSTZDf0BJ9BxJoOwyAREW3t6YRV2ocI2OB3ATPbQjQEsm5qDGLVnAgNKtdDRFvUfz1yv1OmYL3AaEMAYS3k8AWG_mVJAkp0_Zr-yxOXBBuOv1PPObYZsFAkqgDeub4-4xILewb-DOsjJXA-vQGTrMWSNJM4585LKIt5K_TuXf2XLwoBGcWGix61shKj-PBW7sPCrbPtN_NlrNXT9hwrC0UBVzGgzhYhg9Q8QdgW02SEbrhVFKCWiFaDxRBQ3nt7aJMBlWl&src-supplier=Compliance+Statements, ComponentLink32URL=https://octopart.com:443/opatz8j6/c1?t=NhSEKh39WM6jr0COe8Lef7sdNoyrnXCrsrrTXhHd-8E1Czyrgl4WpDDzJXU7fBOVKsDXvfcFGi5H9z_VD2uEk_HNcLEjcvQSTZDf0BJ9BxJoOwyAREW3t6YRV2ocI2OB3ATPbQjQEsm5qDGLVnAgNKtdDRFvUfz1yv1OmYL3AaEMAYS3k8AWG_mVJAkp0_Zr-yxOXBBuOv1PPObYZsFAkqgDeub4-4xILewb-DOsjJXA-vQGTrMWSNJM4585LKIt5K_TuXf2XLwoBGcWGix61shKj-PBW7sPCrbPtN_NlrNXT9hwrC0UBVzGgzhYhg9Q8QdgW02SEbrhVFKCWiFaDxRBQ3nt7aJMBlWl&src-supplier=Compliance+Statements, ComponentLink33Description=https://octopart.com:443/opatz8j6/c1?t=0dV__Zc25l9N_mp-ff1Hb6pwRPsjuxeCTK1uIAsiNCblymrORMYm7JJ8I7MvLwMnCD0708x2elB9zPrcFfs9-0edUy-ULeV2thjkBnY1H-arVeGJlqFvSaGS7C0xTrBCVF8wpUmN86OE1xBVao_QDlFWiV89tly6SI2Y4QZmsVV-jPkuIT63f5djcFf7nniFffa0PWQZGxGV_f-dWN0MFxadV1QQ3Ltv8CyKjpTei1_ZSd2DCVn2LlKBU1csm-RPlAK2uoEY5XMnwQnCvPxoOzQT2yaPVkK_bKGVPbaE5Hm6i3xZPMtpHGlzKJVbkhM8bgzIQWYN4Tw6UX7Sc_8cwBMbGA9MuFl0flg&src-supplier=Compliance+Statements, ComponentLink33URL=https://octopart.com:443/opatz8j6/c1?t=0dV__Zc25l9N_mp-ff1Hb6pwRPsjuxeCTK1uIAsiNCblymrORMYm7JJ8I7MvLwMnCD0708x2elB9zPrcFfs9-0edUy-ULeV2thjkBnY1H-arVeGJlqFvSaGS7C0xTrBCVF8wpUmN86OE1xBVao_QDlFWiV89tly6SI2Y4QZmsVV-jPkuIT63f5djcFf7nniFffa0PWQZGxGV_f-dWN0MFxadV1QQ3Ltv8CyKjpTei1_ZSd2DCVn2LlKBU1csm-RPlAK2uoEY5XMnwQnCvPxoOzQT2yaPVkK_bKGVPbaE5Hm6i3xZPMtpHGlzKJVbkhM8bgzIQWYN4Tw6UX7Sc_8cwBMbGA9MuFl0flg&src-supplier=Compliance+Statements, Contact Plating=Tin, Current=10A, Current Rating=10A, Drain to Source Voltage (Vdss)=60V, Dual Supply Voltage=60V, Fall Time=23ns, Height=1.75mm, Lead Free="Lead Free", Length=5mm, Lifecycle Status=Production, Manufacturer Part Number=FDS5670, Max Operating Temperature=150°C, Min Breakdown Voltage=60V, Mounting Technology="Surface Mount", Nominal Vgs=2.4V, Number of Channels=1, Number of Elements=1, Number of Terminals=8, Packaging="Cut Tape", Pins=8, Power Dissipation=2.5W, Pricing="1=2.78, 10=1.799, 100=1.2376, 500=1.01164 (USD)", Radiation Hardening=No, Rds On Max=14mΩ, REACH SVHC=Yes, Rise Time=10ns, RoHS=Compliant, Schedule B="8541290080, 8541290080|8541290080|8541290080|8541290080|8541290080", Stock=26870, Supplier=DigiKey, Turn-Off Delay Time=50ns, Turn-On Delay Time=16ns, Voltage=60V, Voltage Rating (DC)=60V, Width=4mm
R1 RA12: library part CRGCQ1206F56K, "Res Thick Film 1206 56K Ohm 1% 0.25W(1/4W) ±100ppm/C Pad SMD T/R Automotive AEC-Q200", Ambient Temperature Range High=70°C, Case/Package=1206, Manufacturer="TE Connectivity", Manufacturer Lifecycle Status=ACTIVE, Max Operating Temperature=155°C, Min Operating Temperature=-55°C, Operating Supply Voltage=200V, Power Dissipation=250mW, Supplier Part Number=A129831CT-ND, Temperature Coefficient=100ppm/°C, Tolerance=1%, Category="Chip SMD Resistors", China RoHS=Non-Compliant, ComponentLink1Description=https://datasheet.octopart.com:443/CRGCQ1206F56K-TE-Connectivity-datasheet-114679081.pdf?src-supplier=Master+Electronics, ComponentLink1URL=https://datasheet.octopart.com:443/CRGCQ1206F56K-TE-Connectivity-datasheet-114679081.pdf?src-supplier=Master+Electronics, ComponentLink2Description=https://datasheet.octopart.com:443/CRGCQ1206F56K-TE-Connectivity-datasheet-179161861.pdf?src-supplier=IHS, ComponentLink2URL=https://datasheet.octopart.com:443/CRGCQ1206F56K-TE-Connectivity-datasheet-179161861.pdf?src-supplier=IHS, ComponentLink3Description=https://sigma.octopart.com:443/114707531/technical_drawing/TE-Connectivity-CRGCQ1206F56K.pdf?src-supplier=Sager+Electronics, ComponentLink3URL=https://sigma.octopart.com:443/114707531/technical_drawing/TE-Connectivity-CRGCQ1206F56K.pdf?src-supplier=Sager+Electronics, Composition="Thick Film", Height=550µm, Lifecycle Status=Production, Manufacturer Part Number=CRGCQ1206F56K, Mounting Technology="Surface Mount", Number of Terminals=2, Packaging="Cut Tape", Power Rating=250mW, Pricing="1=0.1, 10=0.046, 25=0.0352, 50=0.029, 100=0.0242, 250=0.0194, 500=0.01666, 1000=0.01451 (USD)", REACH SVHC=Yes, RoHS=Compliant, Schedule B="8533210025, 8533210025|8533210025|8533210025|8533210025|8533210025, 8533210045", Stock=24041, Supplier=DigiKey, Voltage Rating=200V, Voltage Rating (DC)=200V, Width=1.55mm, Working Voltage=200V